# Altium PCB VCB2020_rev1.PcbDoc (part 1 of 2)
Units mil, origin at the board's own origin, x right, y up, seen from the top; angles counter-clockwise.
Board outline 5748.03 x 3779.53 mil, 2 copper layers (Top Layer, Bottom Layer); 155 components, 105 nets, 540 pads, 801 vias.
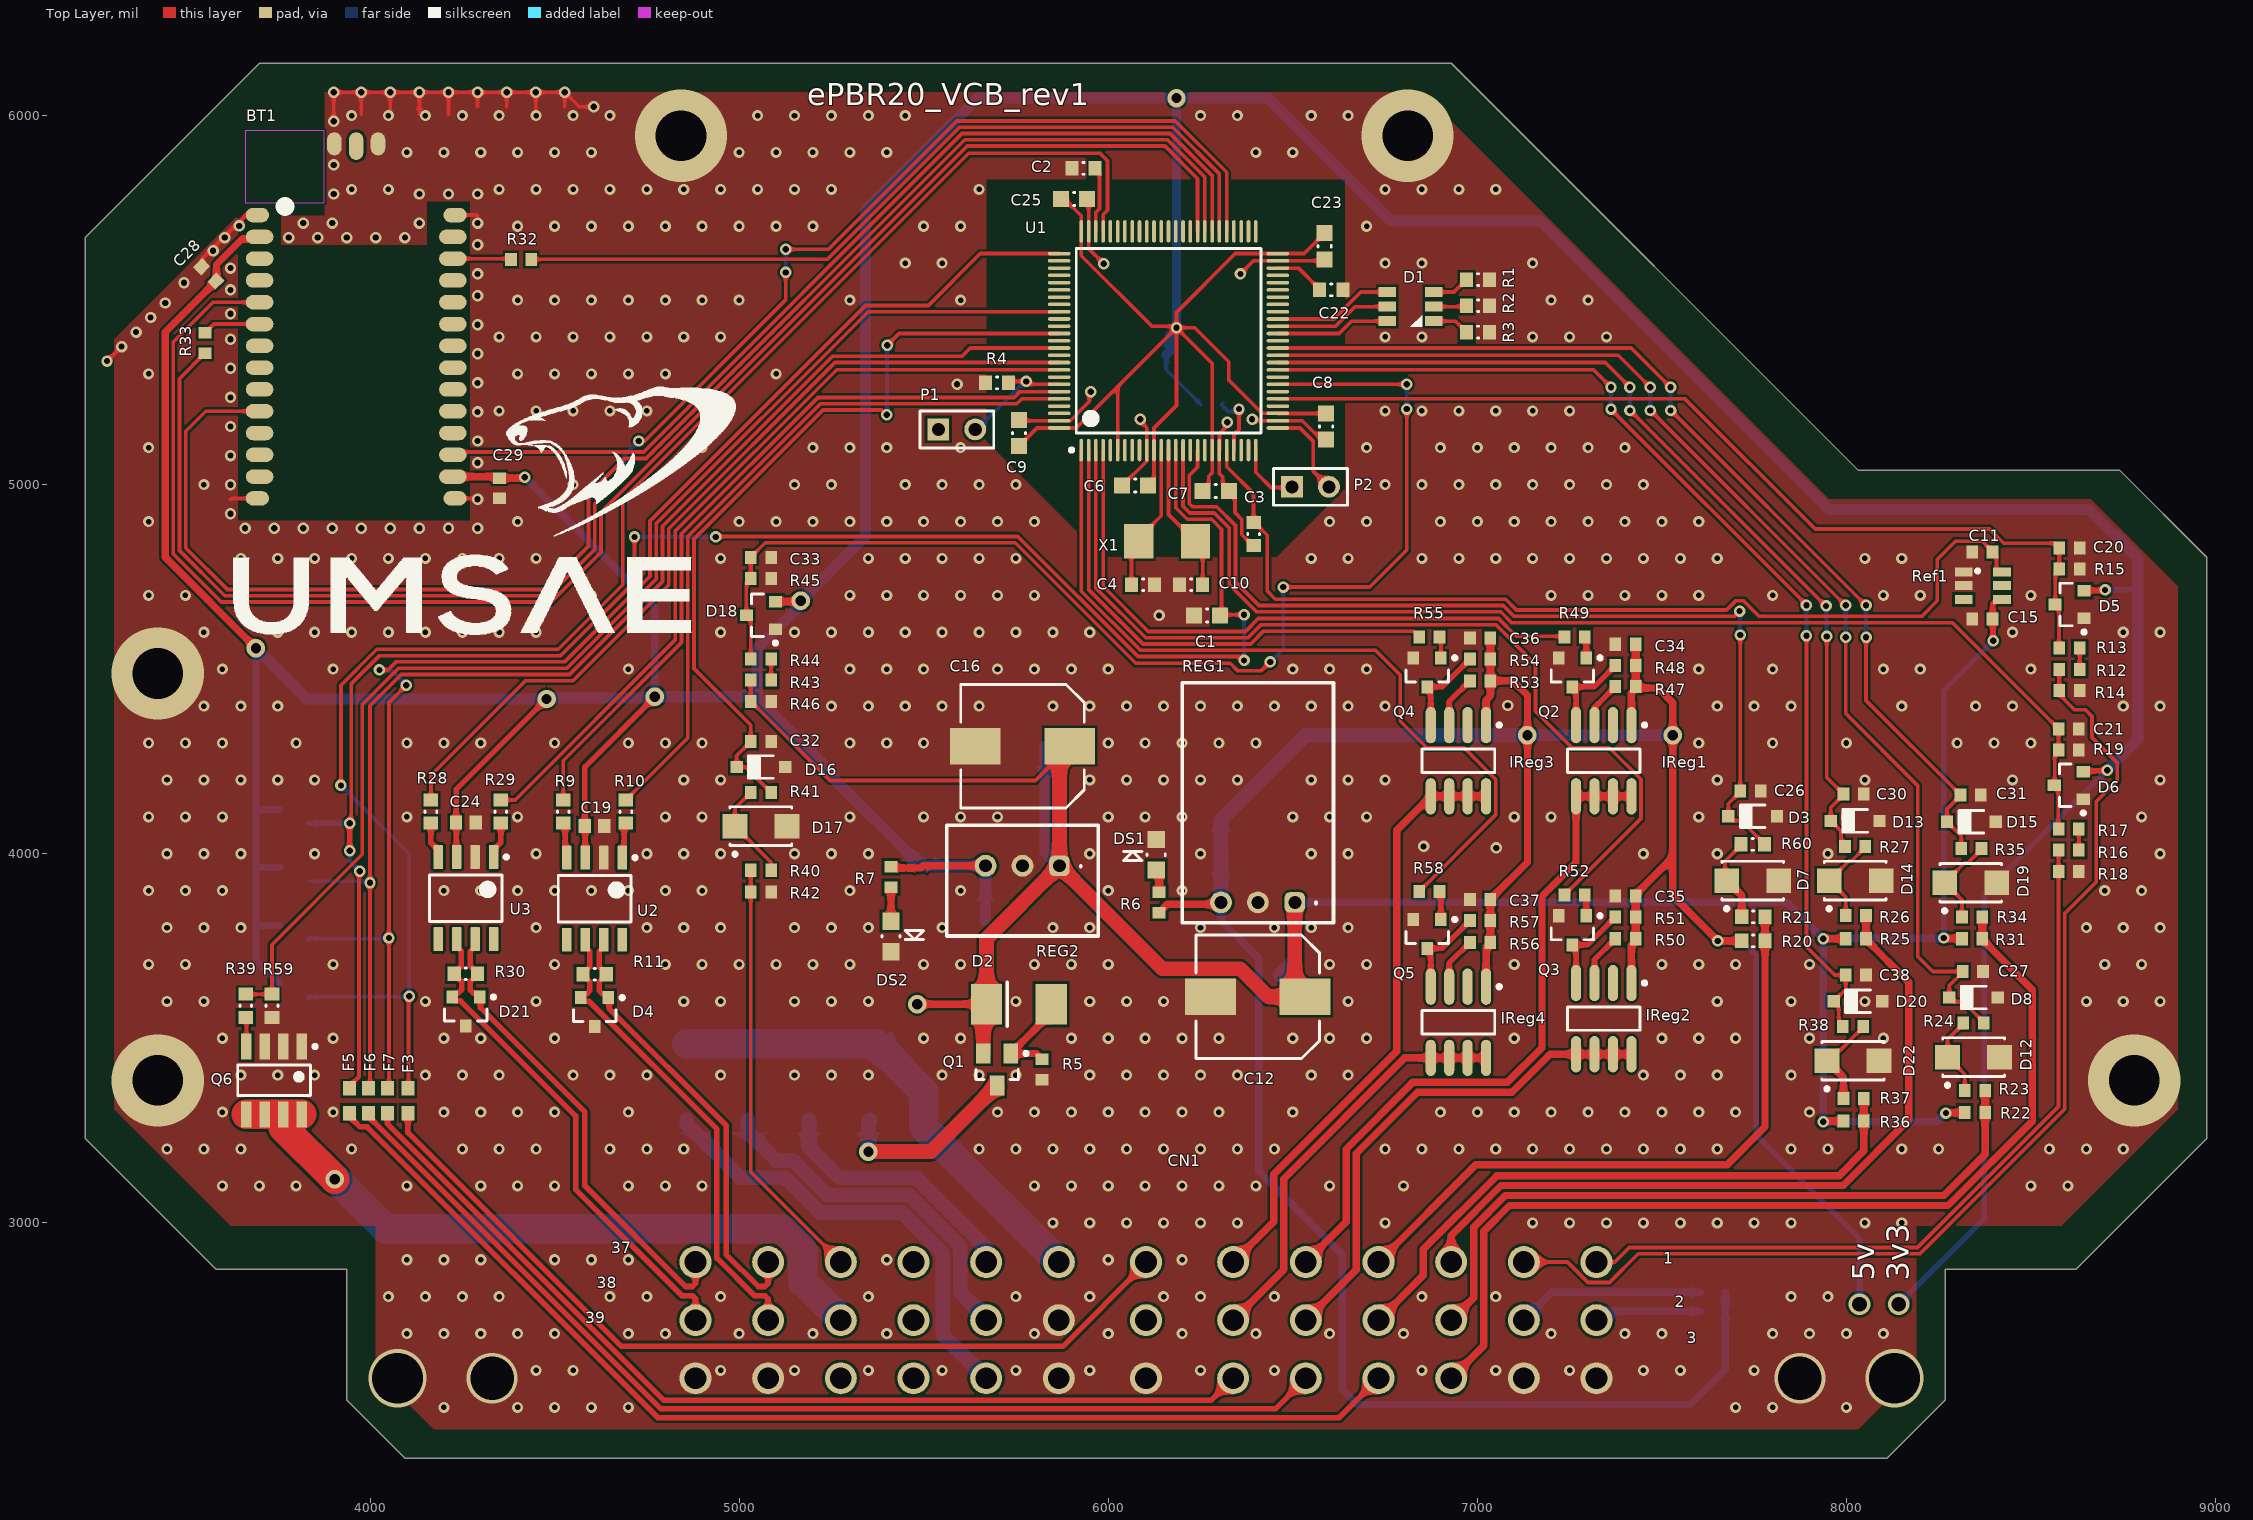
[diagram p0: Top Layer view]
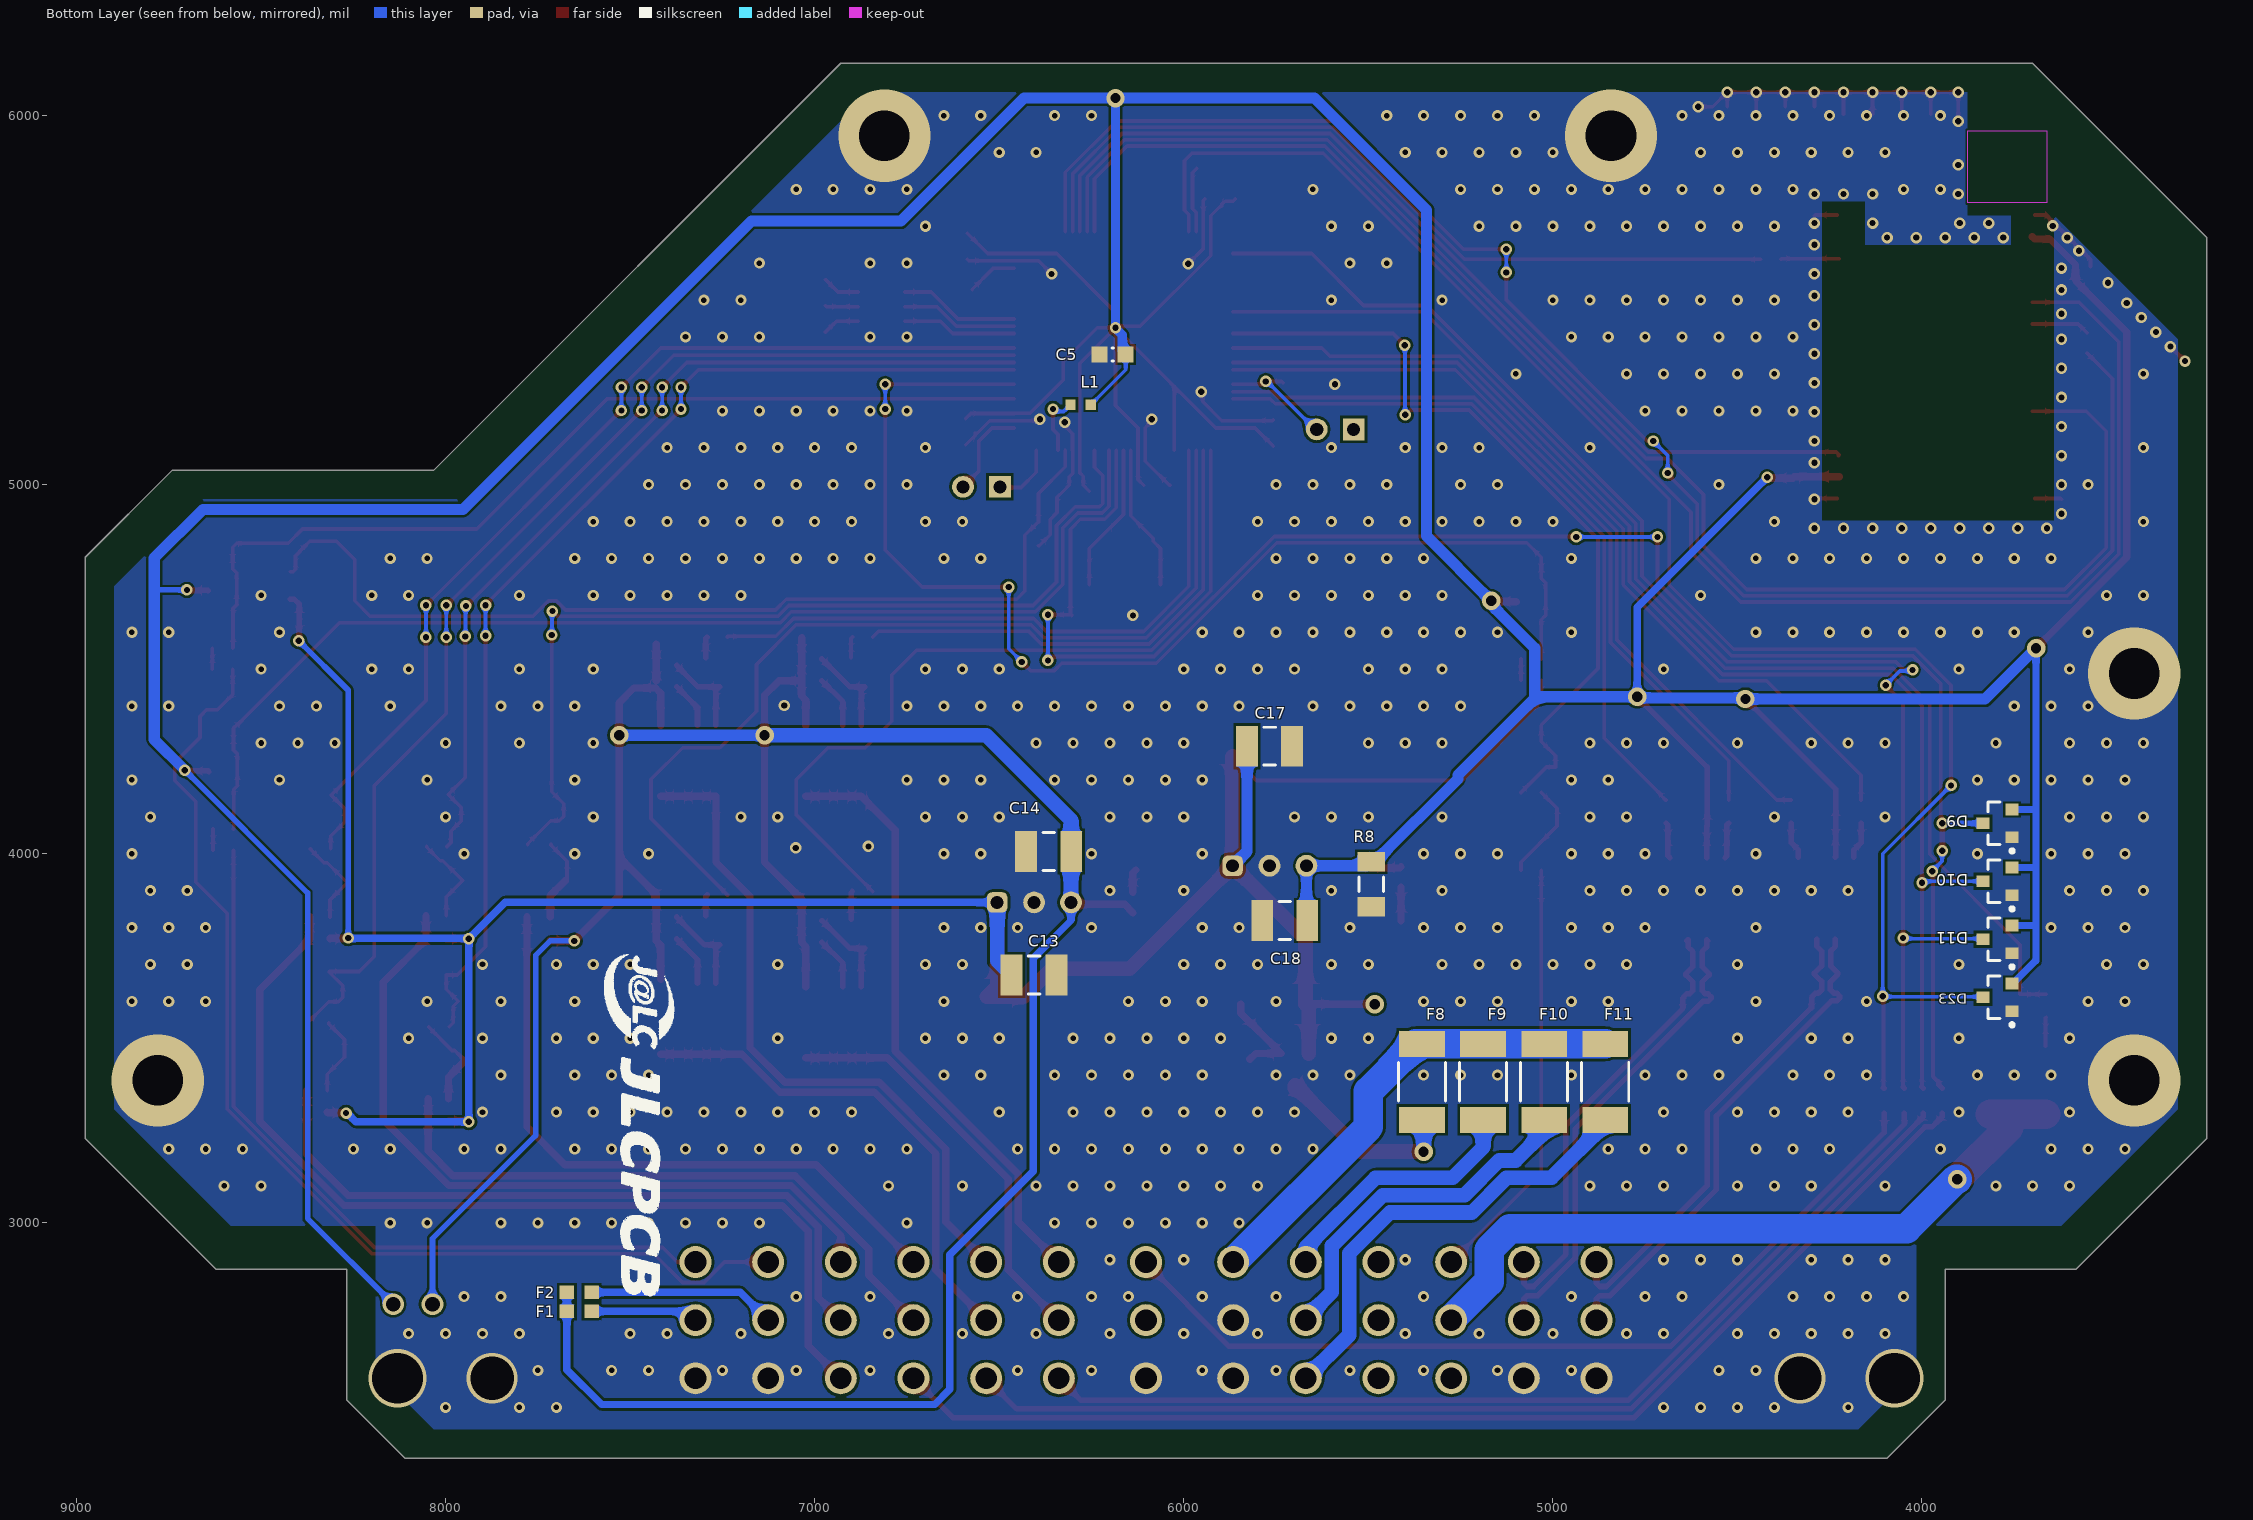
[diagram p1: Bottom Layer view, seen from below]

## Layer stack, top to bottom
Top Solder: solder mask 0.4, Solder Resist, Dk 3.5
Top Layer: signal copper 1.4
Dielectric 1: dielectric 12.6, FR-4, Dk 4.8
Bottom Layer: signal copper 1.4
Bottom Solder: solder mask 0.4, Solder Resist, Dk 3.5

## Board outline
3877.95,6141.73 3700.79,6141.73 3228.35,5669.29 3228.35,3228.35 3582.68,2874.02 3937.01,2874.02 3937.01,2519.68 4094.49,2362.2 8110.24,2362.2 8267.72,2519.68 8267.72,2874.02 8622.05,2874.02 8976.38,3228.35 8976.38,4803.15 8740.16,5039.37 8031.5,5039.37 6929.13,6141.73

## Design rules (kind name [scope] priority, off if disabled: settings)
Clearance [All] p1: gap=7 ignorepadtopadclearanceinfootprint=FALSE except(0: Arc-Hole Track-Hole SMDPad-Hole THPad-Hole Via-Hole Fill-Hole Poly-Hole Region-Hole Text-Hole)
DiffPairsRouting [All] p1: maxlimit=10 minlimit=10 mostfreqgap=10 toplayer_minwidth=15 toplayer_maxwidth=15 toplayer_prefwidth=15 bottomlayer_minwidth=15 bottomlayer_maxwidth=15 bottomlayer_prefwidth=15 maxuncoupledlength=500
Height [All] p1: minheight=0 maxheight=39370.08 prefheight=500
HoleSize [All] p1: absolutevalues=TRUE maxlimit=200 minlimit=15 maxpercent=80.000 minpercent=20.000
HoleToHoleClearance [All] p1: gap=8 allowstackedmicrovias=TRUE
MinimumAnnularRing MinimumAnnularRing_Pad [IsPad] p1: minimumring=7
MinimumAnnularRing MinimumAnnularRing_Via [IsVia] p2: minimumring=5
MinimumSolderMaskSliver [All] p1: minsoldermaskwidth=4
PlaneClearance [All] p1: clearance=15
PlaneConnect PlaneConnect_12V [InNet('12V')] p1: planeconnectstyle=Direct reliefexpansion=20 reliefentries=4 reliefconductorwidth=20 reliefairgap=10
PlaneConnect PlaneConnect_1 [All] p2: planeconnectstyle=Relief reliefexpansion=15 reliefentries=4 reliefconductorwidth=15 reliefairgap=10
PolygonConnect [All] p1: connectstyle=Direct reliefconductorwidth=15 reliefentries=4 polygonreliefangle="90 Angle" airgapwidth=10
RoutingVias [All] p1: holewidth=17 width=31 viastyle="Through Hole" minholewidth=15 minwidth=29 maxholewidth=50 maxwidth=100
SilkToSilkClearance [All] p1: silktosilkclearance=7
SilkToSolderMaskClearance [IsPad] p1: minsilkscreentomaskgap=2 clearancetoexposedcopper=TRUE
SolderMaskExpansion [All] p1: expansion=3
Width [All] p1: maxlimit=200 minlimit=7 preferedwidth=15
21 further rules are at their usual default settings.

## Classes and differential pairs
component class 14-RegenSolenoid: Q6 R39 R59
component class 13-Fusing: F8 F9 F10 F11
component class 12-Dash_Inputs: C27 C30 C31 C38 D8 D12 D13 D14 D15 D19 D20 D22 R22 R23 R24 R25 R26 R27 R31 R34 R35 R36 R37 R38
component class 10-DashLEDs: C34 C35 C36 C37 IReg1 IReg2 IReg3 IReg4 Q2 Q3 Q4 Q5 R47 R48 R49 R50 R51 R52 R53 R54 R55 R56 R57 R58
component class 9-Other_Inputs: C26 C32 C33 D3 D7 D16 D17 D18 R20 R21 R40 R41 R42 R43 R44 R45 R46 R60
component class 8-Bluetooth: BT1 C28 C29 R32 R33
component class 5-Connector: CN1 D9 D10 D11 F1 F2 F5 F6 F7
component class 4-PPS: C20 C21 D5 D6 R12 R13 R14 R15 R16 R17 R18 R19
component class 3-CAN: C19 C24 D4 D21 R9 R10 R11 R28 R29 R30 U2 U3
component class 2-Power: C11 C12 C13 C14 C15 C16 C17 C18 D2 DS1 DS2 Q1 R5 R6 R7 R8 Ref1 REG1 REG2
component class 1-Controller: C1 C2 C3 C4 C5 C6 C7 C8 C9 C10 C22 C23 C25 D1 L1 P1 P2 R1 R2 R3 R4 U1 X1
differential pair Sensor_CAN: +Sensor_CAN_P -Sensor_CAN_N
differential pair CAN: +CAN_P -CAN_N

## Components (designator, comment, footprint, x,y, rotation, side; value= is the part's Value field where it differs from the comment)
BT1 "WT12" WT12 3962.6,5627.95 r270 top
C1 "CAP 10nF 100V 0603(1608)" CAPC0603(1608)100_M 6267.72,4645.5 r0 top value=10nF
C2 "CAP 2.2uF" CAPC0603(1608)55_N 5933.07,5856.63 r0 top value=2.2uF
C3 "CAP 100nF 25V 0603(1608)" CAPC0603(1608)100_N 6393.7,4866.14 r90 top value=100nF
C4 "CAP 24pF" CAPC0603(1608)100_N 6094.32,4728.35 r180 top value=24pF
C5 "CAP 10nF 100V 0603(1608)" CAPC0603(1608)100_M 6192.91,5352.36 r180 bottom value=10nF
C6 "CAP 10nF 100V 0603(1608)" CAPC0603(1608)100_M 6072.83,4998.03 r0 top value=10nF
C7 "CAP 10nF 100V 0603(1608)" CAPC0603(1608)100_M 6291.34,4982.28 r180 top value=10nF
C8 "CAP 10nF 100V 0603(1608)" CAPC0603(1608)100_M 6590.55,5157.48 r90 top value=10nF
C9 "CAP 10nF 100V 0603(1608)" CAPC0603(1608)100_M 5757.87,5139.76 r270 top value=10nF
C10 "CAP 24pF" CAPC0603(1608)100_N 6224.41,4728.35 r0 top value=24pF
C11 "Cap" 1608[0603] 8368.11,4817.1 r0 top value=1uF
C12 "UUD1H101MNL1GS" NIC-CAPA2-8X10_V 6405.51,3612.2 r180 top
C13 "Cap" C1210_M 6405.51,3671.26 r0 bottom value=22uF
C14 "Cap" C1210_M 6366.14,4005.91 r180 bottom value=10uF
C15 "Cap" 1608[0603] 8368.11,4635.66 r0 top value=100nF
C16 "UUD1H101MNL1GS" NIC-CAPA2-8X10_V 5767.72,4291.34 r180 top
C17 "Cap" C1210_M 5767.72,4291.34 r0 bottom value=22uF
C18 "Cap" C1210_M 5726.38,3818.9 r180 bottom value=10uF
C19 "0.1uF" CAPC1608X90X30NL10T20 4608.44,4075.14 r180 top
C20 "Cap" 1608[0603] 8604.33,4828.48 r180 top value=0.47uF
C21 "Cap" 1608[0603] 8602.36,4338.33 r180 top value=0.47uF
C22 "CAP 2.2uF 10V 0603(1608)" CAPC0603(1608)55_N 6604.33,5527.56 r180 top value=2.2uF
C23 "CAP 10nF 100V 0603(1608)" CAPC0603(1608)100_M 6586.61,5645.84 r90 top value=10nF
C24 "0.1uF" CAPC1608X90X30NL10T20 4259.68,4084.65 r180 top
C25 "CAP 10nF 100V 0603(1608)" CAPC0603(1608)100_M 5907.48,5773.79 r180 top value=10nF
C26 "Cap" 1608[0603] 7740.16,4170.11 r180 top value=10nF
C27 "Cap" 1608[0603] 8342.52,3681.1 r180 top value=100nF
C28 "Cap" 1608[0603] 3562.99,5570.87 r315 top value=100nF
C29 "Cap" 1608[0603] 4350.39,4990.16 r90 top value=100nF
C30 "Cap" 1608[0603] 8019.69,4161.42 r180 top value=100nF
C31 "Cap" 1608[0603] 8336.61,4159.45 r180 top value=100nF
C32 "Cap" 1608[0603] 5059.06,4303.97 r180 top value=1nF
C33 "Cap" 1608[0603] 5059.06,4802.98 r180 top value=0.47uF
C34 "Cap" 1608[0603] 7401.57,4567.43 r0 top value=100nF
C35 "Cap" 1608[0603] 7401.57,3885.99 r0 top value=100nF
C36 "Cap" 1608[0603] 7007.87,4584.81 r0 top value=100nF
C37 "Cap" 1608[0603] 7007.87,3876.15 r0 top value=100nF
C38 "Cap" 1608[0603] 8025.59,3671.26 r180 top value=100nF
CN1 "5-1418363-3" 5-1418363-3 6102.36,2736.22 r0 top
D1 "CLX6F-FKC-CNP1ST1E1BB7D3D3" CLX6C-FKB 6881.89,5482.28 r180 top
D2 "Zener Diode, 5.1V, 5W SMBJ5338B" "DO-214AA (SMB)" 5757.87,3592.52 r180 top
D3 "MMSZ5226B-E3-08" VISH-SOD-123-2_V 7746.06,4101.04 r180 top
D4 "NUP2105LT1" ONSC-SOT-23-3-318-08_V 4608.44,3570.7 r270 top
D5 "SZNUP1301ML3T1G" ONSC-SOT-23-3-318-08_V 8604.33,4675.2 r180 top
D6 "SZNUP1301ML3T1G" ONSC-SOT-23-3-318-08_V 8602.36,4185.04 r180 top
D7 "SS14-E3/5AT" VISH-DO-214AC-2_V 7746.06,3927.17 r180 top
D8 "MMSZ5226B-E3-08" VISH-SOD-123-2_V 8344.49,3610.4 r180 top
D9 "SZNUP1301ML3T1G" ONSC-SOT-23-3-318-08_V 3795.28,4082.25 r0 bottom
D10 "SZNUP1301ML3T1G" ONSC-SOT-23-3-318-08_V 3795.28,3925.2 r0 bottom
D11 "SZNUP1301ML3T1G" ONSC-SOT-23-3-318-08_V 3795.28,3768.14 r0 bottom
D12 "SS14-E3/5AT" VISH-DO-214AC-2_V 8344.49,3448.82 r180 top
D13 "MMSZ5226B-E3-08" VISH-SOD-123-2_V 8023.62,4088.75 r180 top
D14 "SS14-E3/5AT" VISH-DO-214AC-2_V 8023.62,3927.17 r180 top
D15 "MMSZ5226B-E3-08" VISH-SOD-123-2_V 8338.58,4086.61 r180 top
D16 "MMSZ5226B-E3-08" VISH-SOD-123-2_V 5059.06,4234.9 r180 top
D17 "SS14-E3/5AT" VISH-DO-214AC-2_V 5059.06,4074.8 r180 top
D18 "SZNUP1301ML3T1G" ONSC-SOT-23-3-318-08_V 5059.06,4645.67 r180 top
D19 "SS14-E3/5AT" VISH-DO-214AC-2_V 8336.61,3921.26 r180 top
D20 "MMSZ5226B-E3-08" VISH-SOD-123-2_V 8031.5,3600.56 r180 top
D21 "NUP2105LT1" ONSC-SOT-23-3-318-08_V 4259.68,3572.33 r270 top
D22 "SS14-E3/5AT" VISH-DO-214AC-2_V 8017.72,3438.98 r180 top
D23 "SZNUP1301ML3T1G" ONSC-SOT-23-3-318-08_V 3795.28,3611.08 r0 bottom
DS1 "LTST-C170GKT" LTST-C170GKT_V 6129.92,3997.21 r90 top
DS2 "LTST-C170GKT" LTST-C170GKT_V 5411.42,3776.21 r270 top
F1 "PTC 80 mA" "0603 fuse" 7637.8,2760.37 r180 bottom
F2 "PTC 80 mA" "0603 fuse" 7637.8,2811.81 r180 bottom
F3 "PTC 80 mA" "0603 fuse" 4102.36,3330.71 r270 top
F5 "PTC 80 mA" "0603 fuse" 3944.62,3330.71 r270 top
F6 "PTC 80 mA" "0603 fuse" 3996.06,3330.71 r270 top
F7 "PTC 80 mA" "0603 fuse" 4047.51,3330.71 r270 top
F8 "1812L075/24DR" LFUS-1812L07524DR_V 5354.33,3381.89 r270 bottom
F9 "1812L050/30PR" LFUS-1812L05030PR_V 5188.98,3381.89 r270 bottom
F10 "1812L050/30PR" LFUS-1812L05030PR_V 5023.62,3381.89 r270 bottom
F11 "1812L075/24DR" LFUS-1812L07524DR_V 4858.27,3381.89 r270 bottom
IReg1 "NUD4001" SO8_M 7342.52,4251.97 r270 top
IReg2 "NUD4001" SO8_M 7342.52,3553.15 r270 top
IReg3 "NUD4001" SO8_M 6948.82,4251.97 r270 top
IReg4 "NUD4001" SO8_M 6948.82,3543.31 r270 top
L1 "MH1608-601Y" BOUR-MH1608_V 6279.53,5216.54 r0 bottom
P1 "Header 2" HDR1X2 5539.76,5149.61 r0 top
P2 "Header 2" HDR1X2 6498.03,4994.09 r0 top
Q1 "FDN340P" FAIR-SSOT3L-3_V 5698.82,3415.35 r270 top
Q2 "MMBT2222ALT1" ONSC-SOT-23-3-318-08_V 7257.71,4491.31 r270 top
Q3 "MMBT2222ALT1" ONSC-SOT-23-3-318-08_V 7257.71,3792.49 r270 top
Q4 "MMBT2222ALT1" ONSC-SOT-23-3-318-08_V 6864.01,4491.31 r270 top
Q5 "MMBT2222ALT1" ONSC-SOT-23-3-318-08_V 6864.01,3782.65 r270 top
Q6 "IRF7413PBFCT" INTR-SO-8_V 3740.16,3385.83 r270 top
R1 "82R" RESC0603(1608)_N 7001.97,5555.45 r0 top value="82.00 Ohm"
R2 "60R" RESC0603(1608)_N 7001.97,5484.42 r0 top value="60.40 Ohm"
R3 "33R" RESC0603(1608)_N 7001.97,5413.39 r0 top value="33.00 Ohm"
R4 "10K" RESC0603(1608)_N 5698.82,5275.59 r180 top value="10000.00 Ohm"
R5 "Res1" 1608[0603] 5821.03,3415.35 r90 top value=1K
R6 "Res1" 1608[0603] 6137.96,3868.11 r90 top value=180R
R7 "Res1" 1608[0603] 5411.42,3937.01 r270 top value=82R
R8 "100R" RESC1206(3216)_M 5492.13,3917.32 r90 bottom value="100.00 Ohm"
R9 "22R" RESC0603(1608)_N 4523.62,4114.17 r90 top value="22.00 Ohm"
R10 "22R" RESC0603(1608)_N 4693.25,4114.17 r90 top value="22.00 Ohm"
R11 "120R" RESC0603(1608)_N 4608.44,3673.23 r0 top value="120.00 Ohm"
R12 "Res1" 1608[0603] 8604.33,4499.66 r0 top value=3k9
R13 "Res1" 1608[0603] 8604.33,4556.92 r180 top value=1k3
R14 "Res1" 1608[0603] 8604.33,4442.41 r180 top value=10k
R15 "Res1" 1608[0603] 8604.33,4771.23 r180 top value=10k
R16 "Res1" 1608[0603] 8602.36,4009.51 r0 top value=3k9
R17 "Res1" 1608[0603] 8602.36,4066.76 r180 top value=1k3
R18 "Res1" 1608[0603] 8602.36,3952.25 r180 top value=10k
R19 "Res1" 1608[0603] 8602.36,4281.07 r180 top value=10k
R20 "100K 5% 0603(1608)" RESC0603(1608)_N 7748.03,3763.78 r180 top value="100000.00 Ohm"
R21 "51K 5% 0603(1608)" RESC0603(1608)_N 7748.03,3828.74 r180 top value="51000.00 Ohm"
R22 "Res1" 1608[0603] 8348.43,3299.21 r180 top value=10k
R23 "Res1" 1608[0603] 8348.43,3358.27 r180 top value=5k1
R24 "Res1" 1608[0603] 8344.49,3541.34 r0 top value=5k1
R25 "Res1" 1608[0603] 8025.59,3769.69 r180 top value=10k
R26 "Res1" 1608[0603] 8025.59,3832.68 r180 top value=5k1
R27 "Res1" 1608[0603] 8023.62,4019.69 r180 top value=5k1
R28 "22R" RESC0603(1608)_N 4165.02,4114.17 r90 top value="22.00 Ohm"
R29 "22R" RESC0603(1608)_N 4354.33,4114.17 r90 top value="22.00 Ohm"
R30 "120R" RESC0603(1608)_N 4259.68,3674.86 r0 top value="120.00 Ohm"
R31 "Res1" 1608[0603] 8340.55,3769.68 r180 top value=10k
R32 "Res1" 1608[0603] 4409.45,5610.24 r0 top value=22R
R33 "Res1" 1608[0603] 3553.15,5383.86 r90 top value=22R
R34 "Res1" 1608[0603] 8340.55,3828.74 r180 top value=5k1
R35 "Res1" 1608[0603] 8338.58,4013.78 r180 top value=5k1
R36 "Res1" 1608[0603] 8019.69,3275.59 r180 top value=10k
R37 "Res1" 1608[0603] 8019.69,3336.61 r180 top value=5k1
R38 "Res1" 1608[0603] 8017.72,3531.5 r180 top value=5k1
R39 "100R 1% 0603(1608)" RESC0603(1608)_N 3663.39,3587.96 r90 top value="100.00 Ohm"
R40 "Res1" 1608[0603] 5059.06,3955.23 r180 top value=1K
R41 "Res1" 1608[0603] 5059.06,4165.84 r180 top value=1K
R42 "Res1" 1608[0603] 5059.06,3896.17 r180 top value=1K
R43 "Res1" 1608[0603] 5059.06,4470.14 r0 top value=39k
R44 "Res1" 1608[0603] 5059.06,4527.39 r180 top value=2k
R45 "Res1" 1608[0603] 5059.06,4745.73 r180 top value=10k
R46 "Res1" 1608[0603] 5059.06,4412.88 r180 top value=10k
R47 "Res1" 1608[0603] 7401.57,4452.92 r180 top value=3R
R48 "Res1" 1608[0603] 7401.57,4510.18 r180 top value=110k
R49 "Res1" 1608[0603] 7263.78,4586.95 r180 top value=1K
R50 "Res1" 1608[0603] 7401.57,3769.68 r180 top value=3R
R51 "Res1" 1608[0603] 7401.57,3828.74 r180 top value=110k
R52 "Res1" 1608[0603] 7263.78,3888.13 r180 top value=1K
R53 "Res1" 1608[0603] 7007.87,4468.5 r180 top value=3R
R54 "Res1" 1608[0603] 7007.87,4527.56 r180 top value=110k
R55 "Res1" 1608[0603] 6870.08,4586.95 r180 top value=1K
R56 "Res1" 1608[0603] 7007.87,3759.84 r180 top value=3R
R57 "Res1" 1608[0603] 7007.87,3818.9 r180 top value=110k
R58 "Res1" 1608[0603] 6870.08,3897.64 r180 top value=1K
R59 "10K 1% 0603(1608)" RESC0603(1608)_N 3734.43,3587.96 r90 top value="10000.00 Ohm"
R60 "51K 5% 0603(1608)" RESC0603(1608)_N 7746.06,4025.09 r0 top value="51000.00 Ohm"
Ref1 "LT6654AHS6-3.3" "TSOT-23 S6" 8368.11,4726.38 r0 top
REG1 "OKI-78SR-5" "Reg - TH, 3 pin, 100 mil Pitch, HTL" 6405.51,3818.11 r180 top
REG2 "OKI-78SR-3.3" "Reg - TH, 3 pin, 100 mil Pitch, VTL" 5767.72,3917.32 r180 top
U1 "STM32F446VET7" STM-LQFP100_L 6163.39,5389.76 r90 top
U2 "SN65HVD232DR" D0008A_M 4608.44,3878.12 r270 top
U3 "SN65HVD232DR" D0008A_M 4259.68,3879.75 r270 top
X1 "7A-8.000MAAJ-T" "2-SMD, No Lead" 6157.48,4846.46 r180 top
